# KiCad board Revision01.kicad_pcb
title: Telemetry System; date: 2025-05-19; rev: A; company: BCIT BAJA DATA AQUISITION; note: Parry and Daniel
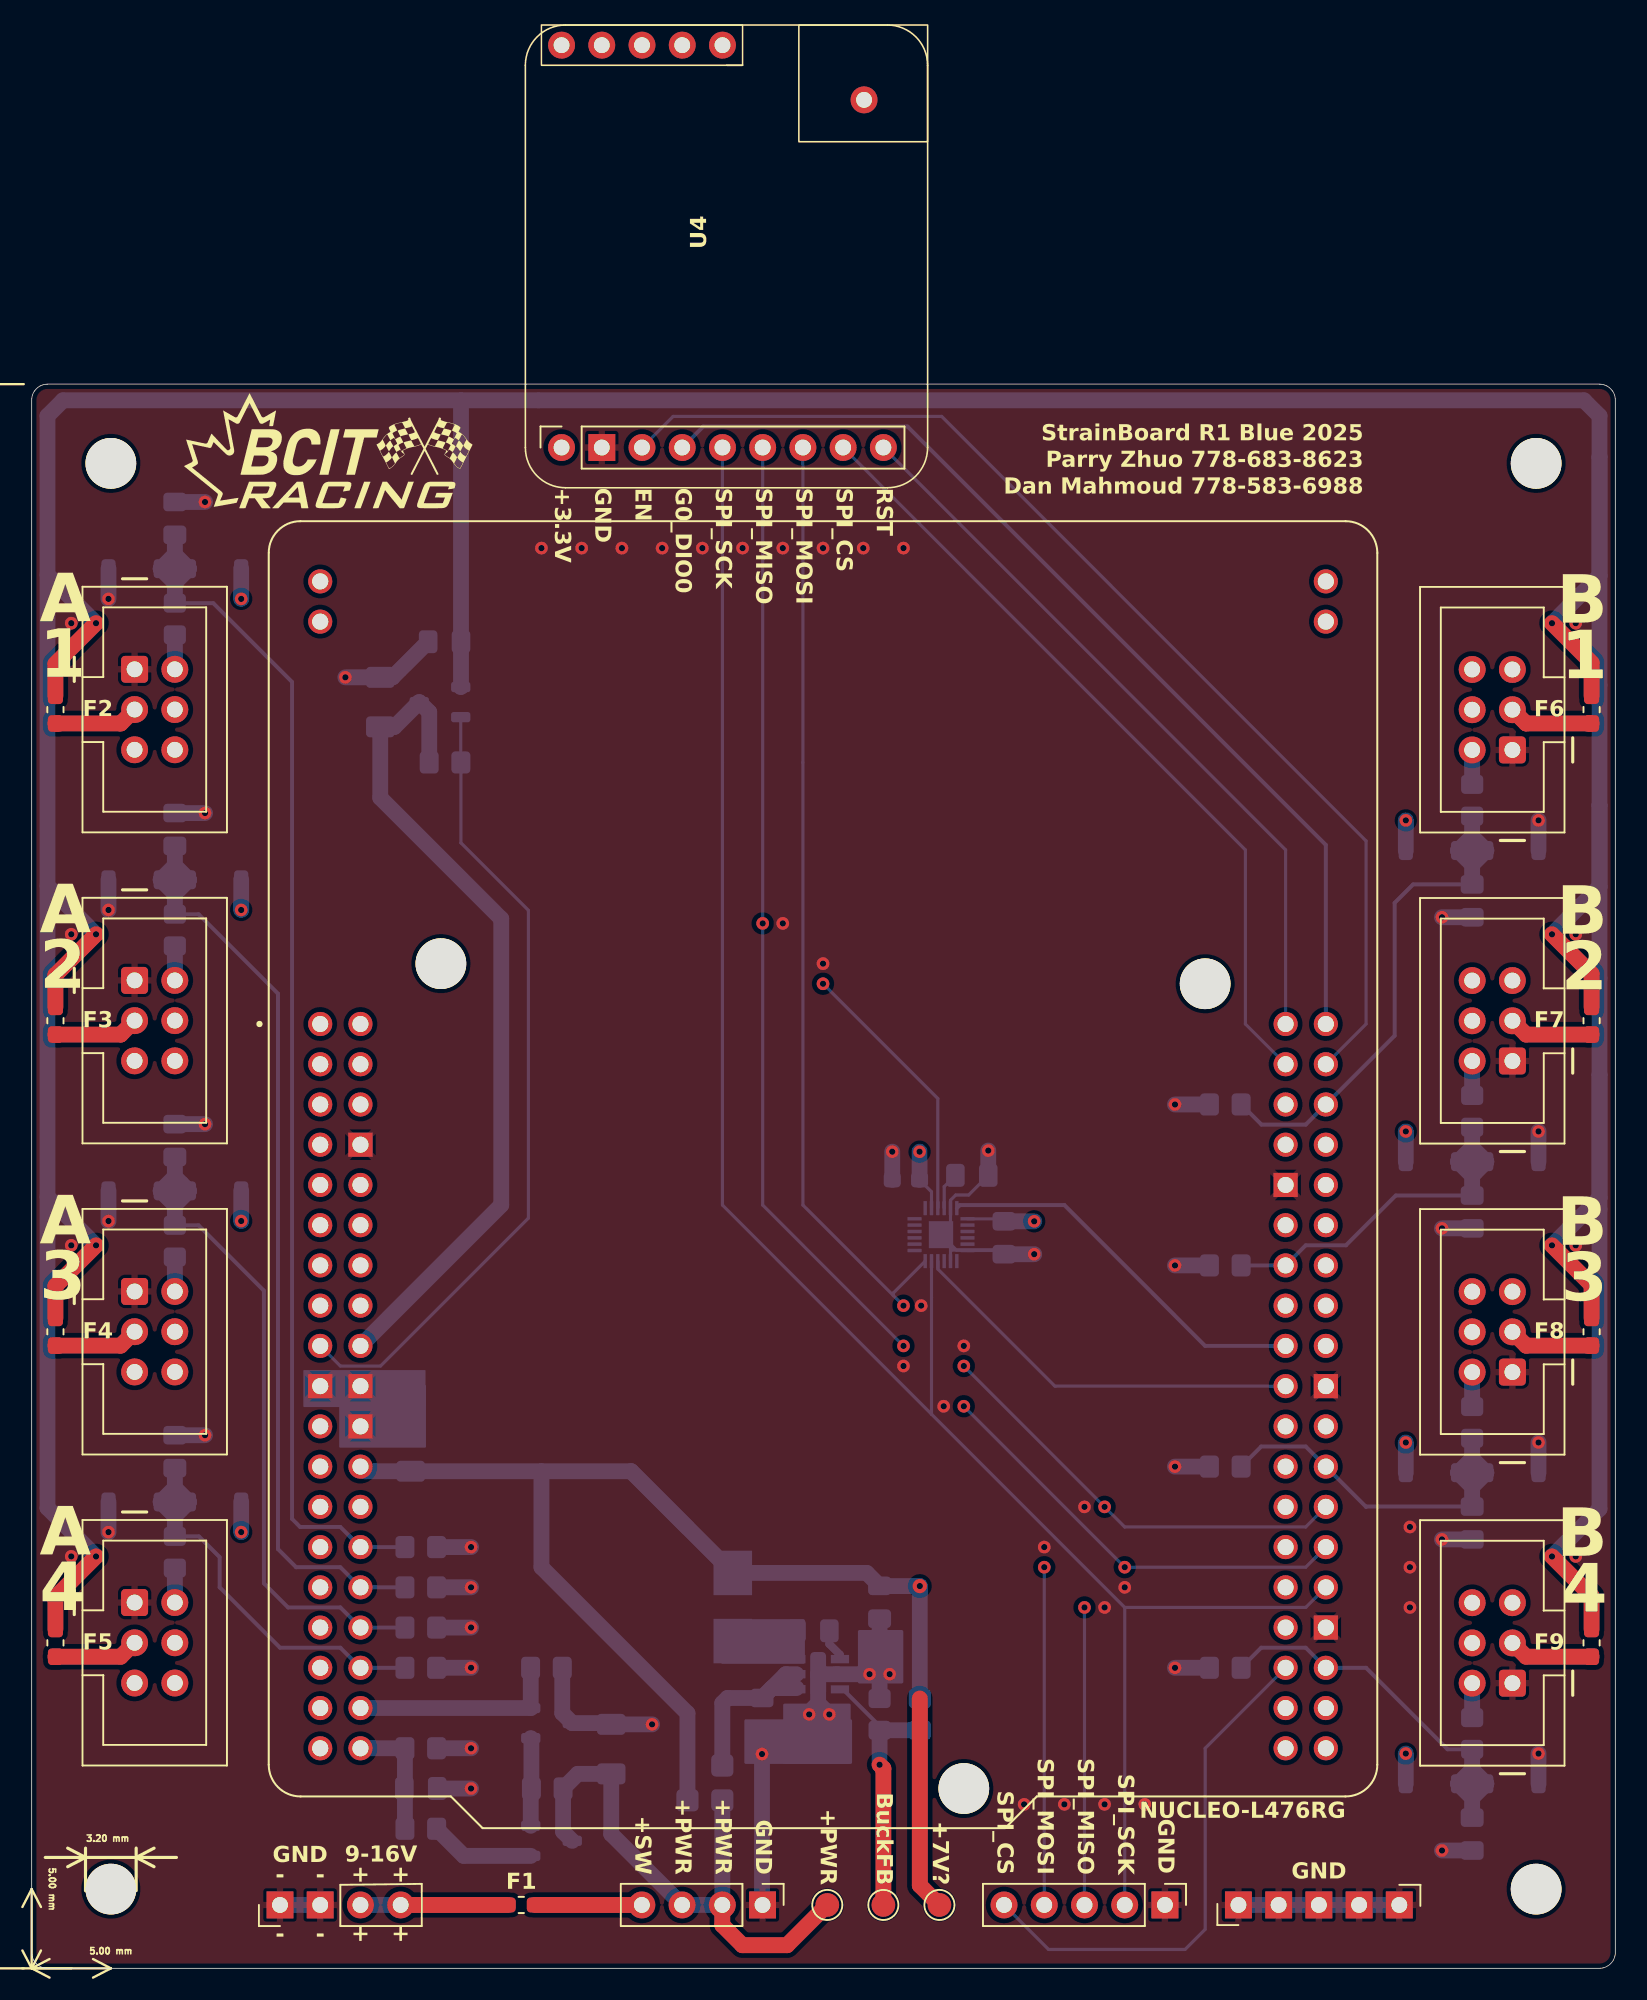
[diagram p0: board, top side]
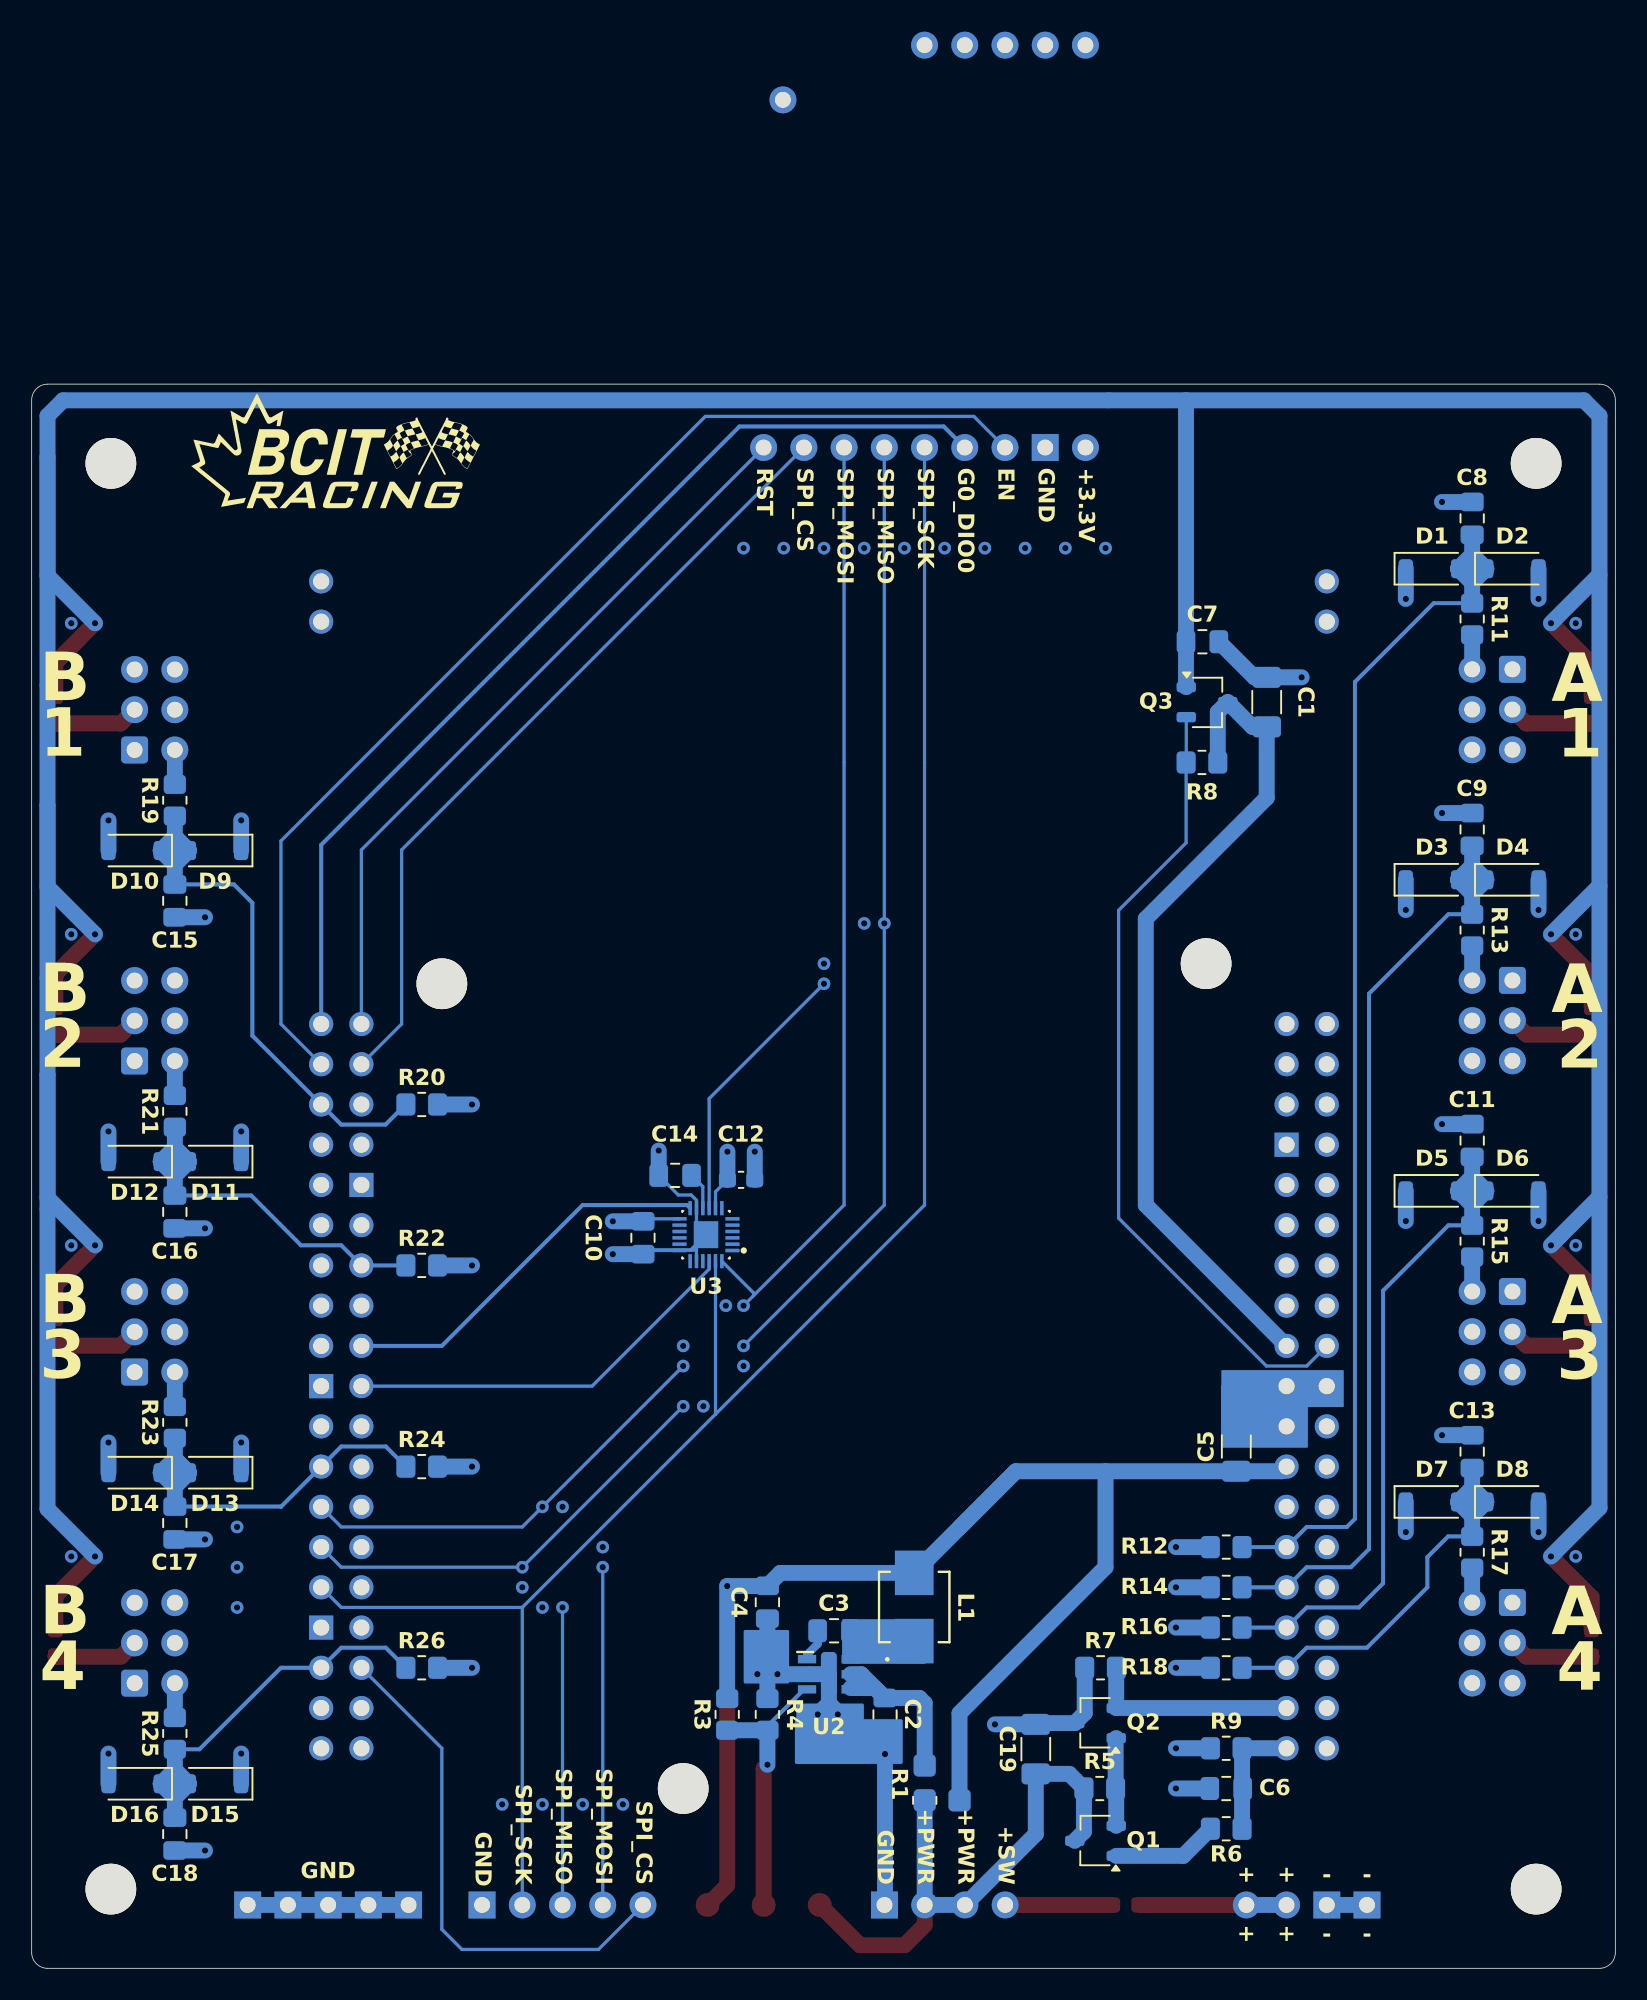
[diagram p1: board, bottom side, seen from below]

Outline 100 x 100 mm; copper layers: Top, In1.Cu (plane), In2.Cu (plane), Bottom. Coordinates in mm from the lower left corner of the outline.
Outline path: 0,99 arc(0.29,99.71) 1,100 99,100 arc(99.71,99.71) 100,99 100,1 arc(99.71,0.29) 99,0 1,0 arc(0.29,0.29) 0,1 0,99
Stack: Top 0.0175mm / dielectric 0.196mm 7628 er 4.74 / In1.Cu 0.035mm / dielectric 1.03mm FR4 er 4.6 / In2.Cu 0.035mm / dielectric 0.196mm 7628 er 4.74 / Bottom 0.0175mm

## Placement (name value [footprint] x y rotation side)
C1  22uF ±10%  [C_1206_3216Metric_Pad1.33x1.80mm_HandSolder]  22.01 79.93 90 bottom
C2  1uF, X7R  [C_0805_2012Metric_Pad1.18x1.45mm_HandSolder]  46.12 16.03 270 bottom
C3  0.1µF, X7R  [C_0805_2012Metric_Pad1.18x1.45mm_HandSolder]  49.33 21.31 180 bottom
C4  1uF, X7R  [C_0805_2012Metric_Pad1.18x1.45mm_HandSolder]  53.54 23.11 270 bottom
C5  10uF, X7R  [C_1206_3216Metric_Pad1.33x1.80mm_HandSolder]  23.94 32.94 90 bottom
C6  0.1uF ±10%  [C_0805_2012Metric_Pad1.18x1.45mm_HandSolder]  24.57 11.35 0 bottom
C7  0.1uF ±10%  [C_0805_2012Metric_Pad1.18x1.45mm_HandSolder]  26.07 83.74 180 bottom
C8  0.1uF ±10%  [C_0805_2012Metric_Pad1.18x1.45mm_HandSolder]  9.04 91.53 90 bottom
C9  0.1uF ±10%  [C_0805_2012Metric_Pad1.18x1.45mm_HandSolder]  9.04 71.89 90 bottom
C10  0.1µF ±10%, Ceramic, X7R, >2V  [C_0805_2012Metric_Pad1.18x1.45mm_HandSolder]  61.4 46.12 270 bottom
C11  0.1uF ±10%  [C_0805_2012Metric_Pad1.18x1.45mm_HandSolder]  9.04 52.25 90 bottom
C12  10nF ±10%, Ceramic, X7R, >4V  [C_0603_1608Metric_Pad1.08x0.95mm_HandSolder]  55.2 49.77 180 bottom
C13  0.1uF ±10%  [C_0805_2012Metric_Pad1.18x1.45mm_HandSolder]  9.04 32.62 90 bottom
C14  0.1µF ±10%, Ceramic, X7R, >2V  [C_0805_2012Metric_Pad1.18x1.45mm_HandSolder]  59.37 50.05 180 bottom
C15  0.1uF ±10%  [C_0805_2012Metric_Pad1.18x1.45mm_HandSolder]  90.96 67.39 270 bottom
C16  0.1uF ±10%  [C_0805_2012Metric_Pad1.18x1.45mm_HandSolder]  90.96 47.75 270 bottom
C17  0.1uF ±10%  [C_0805_2012Metric_Pad1.18x1.45mm_HandSolder]  90.96 28.11 270 bottom
C18  0.1uF ±10%  [C_0805_2012Metric_Pad1.18x1.45mm_HandSolder]  90.96 8.48 270 bottom
C19  22uF ±10%  [C_1206_3216Metric_Pad1.33x1.80mm_HandSolder]  36.59 13.84 90 bottom
D1  D_Zener_Small  [D_SOD-123]  11.58 88.35 180 bottom
D2  D_Zener_Small  [D_SOD-123]  6.5 88.35 180 bottom
D3  D_Zener_Small  [D_SOD-123]  11.58 68.71 180 bottom
D4  D_Zener_Small  [D_SOD-123]  6.5 68.71 180 bottom
D5  D_Zener_Small  [D_SOD-123]  11.58 49.08 180 bottom
D6  D_Zener_Small  [D_SOD-123]  6.5 49.08 180 bottom
D7  D_Zener_Small  [D_SOD-123]  11.58 29.44 180 bottom
D8  D_Zener_Small  [D_SOD-123]  6.5 29.44 180 bottom
D9  D_Zener_Small  [D_SOD-123]  88.42 70.56 0 bottom
D10  D_Zener_Small  [D_SOD-123]  93.5 70.56 0 bottom
D11  D_Zener_Small  [D_SOD-123]  88.42 50.92 0 bottom
D12  D_Zener_Small  [D_SOD-123]  93.5 50.92 0 bottom
D13  D_Zener_Small  [D_SOD-123]  88.42 31.29 0 bottom
D14  D_Zener_Small  [D_SOD-123]  93.5 31.29 0 bottom
D15  D_Zener_Small  [D_SOD-123]  88.42 11.65 0 bottom
D16  D_Zener_Small  [D_SOD-123]  93.5 11.65 0 bottom
F1  FAST-BLOW 375mA 32V 0.45Ω  [Fuse_0603_1608Metric_Pad1.05x0.95mm_HandSolder]  30.92 4 0 top
F2  70mA 5s Fusing, 7.5 Ohms  [Fuse_0603_1608Metric_Pad1.05x0.95mm_HandSolder]  1.5 79.46 270 top
F3  70mA 5s Fusing, 7.5 Ohms  [Fuse_0603_1608Metric_Pad1.05x0.95mm_HandSolder]  1.5 59.82 270 top
F4  70mA 5s Fusing, 7.5 Ohms  [Fuse_0603_1608Metric_Pad1.05x0.95mm_HandSolder]  1.5 40.18 270 top
F5  70mA 5s Fusing, 7.5 Ohms  [Fuse_0603_1608Metric_Pad1.05x0.95mm_HandSolder]  1.5 20.55 270 top
F6  70mA 5s Fusing, 7.5 Ohms  [Fuse_0603_1608Metric_Pad1.05x0.95mm_HandSolder]  98.5 79.46 270 top
F7  70mA 5s Fusing, 7.5 Ohms  [Fuse_0603_1608Metric_Pad1.05x0.95mm_HandSolder]  98.5 59.82 270 top
F8  70mA 5s Fusing, 7.5 Ohms  [Fuse_0603_1608Metric_Pad1.05x0.95mm_HandSolder]  98.5 40.18 270 top
F9  70mA 5s Fusing, 7.5 Ohms  [Fuse_0603_1608Metric_Pad1.05x0.95mm_HandSolder]  98.5 20.55 270 top
G***  LOGO  [BCIT-Racing-Logo_20mm_8mm8]  19.09 95.81 0 top
G***#2  LOGO  [BCIT-Racing-Logo_20mm_8mm8]  80.45 95.81 180 bottom
H1  MountingHole  [MountingHole_3.2mm_M3]  5 5 0 top
H2  MountingHole  [MountingHole_3.2mm_M3]  5 95 0 top
H3  MountingHole  [MountingHole_3.2mm_M3]  95 95 0 top
H4  MountingHole  [MountingHole_3.2mm_M3]  95 5 0 top
J3  Conn_01x04  [BatterySwitch_PinHeader_1x04_P2.54mm_Vertical]  46.15 4 270 top
J4  Conn_01x05  [SPIExtra_PinHeader_1x05_P2.54mm_Vertical]  71.56 4 270 top
J5  Conn_01x05  [GND_PinHeader_1x05_P2.54mm_Vertical]  86.36 4 270 top
J6  IDC 6Pin Male Header  [AdamTech_BHR-06-VUA]  6.5 82 0 top
J7  IDC 6Pin Male Header  [AdamTech_BHR-06-VUA]  6.5 62.36 0 top
J8  IDC 6Pin Male Header  [AdamTech_BHR-06-VUA]  6.5 42.73 0 top
J9  IDC 6Pin Male Header  [AdamTech_BHR-06-VUA]  6.5 23.09 0 top
J10  IDC 6Pin Male Header  [AdamTech_BHR-06-VUA]  93.5 76.91 180 top
J11  IDC 6Pin Male Header  [AdamTech_BHR-06-VUA]  93.5 57.27 180 top
J12  IDC 6Pin Male Header  [AdamTech_BHR-06-VUA]  93.5 37.64 180 top
J13  IDC 6Pin Male Header  [AdamTech_BHR-06-VUA]  93.5 18 180 top
J20  Conn_01x04  [Battery_PinHeader_1x04_P2.54mm_Vertical]  15.68 4 90 top
L1  150uH  [LQH44PH151MPRL_IND_LQH44PN_PR_MUR-M]  44.27 22.81 90 bottom
Q1  PMOS  [TSOT-23]  32.83 8.05 0 bottom
Q2  NMOS  [TSOT-23]  32.83 15.48 0 bottom
Q3  PMOS  [TSOT-23]  25.78 79.93 180 bottom
R1  0  [ZeroOhmSwitch_R_0805_2012Metric_Pad1.20x1.40mm_HandSolder]  43.61 10.6 90 bottom
R3  76.8K+- 1%, ±100ppm/°C  [R_0805_2012Metric_Pad1.20x1.40mm_HandSolder]  56.08 16.03 90 bottom
R4  10K +-1%, ±100ppm/°C  [R_0805_2012Metric_Pad1.20x1.40mm_HandSolder]  53.54 16.03 270 bottom
R5  10K ±1%  [R_0805_2012Metric_Pad1.20x1.40mm_HandSolder]  32.56 11.35 0 bottom
R6  15K ±1%  [R_0805_2012Metric_Pad1.20x1.40mm_HandSolder]  24.57 8.81 0 bottom
R7  10K ±1%  [R_0805_2012Metric_Pad1.20x1.40mm_HandSolder]  32.5 18.97 180 bottom
R8  10K ±1%  [R_0805_2012Metric_Pad1.20x1.40mm_HandSolder]  26.1 76.12 180 bottom
R9  5K ±1%  [R_0805_2012Metric_Pad1.20x1.40mm_HandSolder]  24.57 13.89 180 bottom
R11  150 ±1%  [R_0805_2012Metric_Pad1.20x1.40mm_HandSolder]  9.04 85.18 270 bottom
R12  1M ±1%  [R_0805_2012Metric_Pad1.20x1.40mm_HandSolder]  24.57 26.59 0 bottom
R13  150 ±1%  [R_0805_2012Metric_Pad1.20x1.40mm_HandSolder]  9.04 65.54 270 bottom
R14  1M ±1%  [R_0805_2012Metric_Pad1.20x1.40mm_HandSolder]  24.57 24.05 0 bottom
R15  150 ±1%  [R_0805_2012Metric_Pad1.20x1.40mm_HandSolder]  9.04 45.9 270 bottom
R16  1M ±1%  [R_0805_2012Metric_Pad1.20x1.40mm_HandSolder]  24.57 21.51 0 bottom
R17  150 ±1%  [R_0805_2012Metric_Pad1.20x1.40mm_HandSolder]  9.04 26.27 270 bottom
R18  1M ±1%  [R_0805_2012Metric_Pad1.20x1.40mm_HandSolder]  24.57 18.97 0 bottom
R19  150 ±1%  [R_0805_2012Metric_Pad1.20x1.40mm_HandSolder]  90.96 73.74 90 bottom
R20  1M ±1%  [R_0805_2012Metric_Pad1.20x1.40mm_HandSolder]  75.37 54.53 180 bottom
R21  150 ±1%  [R_0805_2012Metric_Pad1.20x1.40mm_HandSolder]  90.96 54.1 90 bottom
R22  1M ±1%  [R_0805_2012Metric_Pad1.20x1.40mm_HandSolder]  75.37 44.37 180 bottom
R23  150 ±1%  [R_0805_2012Metric_Pad1.20x1.40mm_HandSolder]  90.96 34.46 90 bottom
R24  1M ±1%  [R_0805_2012Metric_Pad1.20x1.40mm_HandSolder]  75.37 31.67 180 bottom
R25  150 ±1%  [R_0805_2012Metric_Pad1.20x1.40mm_HandSolder]  90.96 14.83 90 bottom
R26  1M ±1%  [R_0805_2012Metric_Pad1.20x1.40mm_HandSolder]  75.37 18.97 180 bottom
TP1  TestPoint  [TestPoint_Pad_D1.5mm]  50.24 4 0 top
TP2  TestPoint  [TestPoint_Pad_D1.5mm]  53.78 4 0 top
TP4  TestPoint  [TestPoint_Pad_D1.5mm]  57.32 4 0 top
U1  NUCLEO-L476RG  [MODULE_NUCLEO-L476RG]  18.22 59.61 0 top
U2  LMR51603XFDBVR  [LMR51603XFDBVR_DBV0006A-MFG-IPC_C]  49.66 18.57 180 bottom
U3  MPU-6500  [MPU-6500_QFN40P300X300X95-25N]  57.42 46.31 0 bottom
U4  Adafruit 3070  [Adafruit3070]  33.46 96 90 top

## Library data of the parts
C1 C19 = -: Datasheet: https://mm.digikey.com/Volume0/opasdata/d220001/medias/docus/658/CL31A226KAHNNNE_Spec.pdf; Description: CAP CER 22UF 25V X5R 1206; Manufacturer Part Number: CL31A226KAHNNNE; Distributor Link: https://www.digikey.ca/en/products/detail/samsung-electro-mechanics/CL31A226KAHNNNE/3888705; Distributor Part Number: 1276-3047-1-ND - Cut Tape (CT); Detailed Description: 22 µF ±10% 25V Ceramic Capacitor X5R 1206 (3216 Metric); Manufacturer: Samsung Electro-Mechanics; Package: 1206 (3216 Metric); ki_fp_filters: C_*
C2 C4 = -: Datasheet: https://mm.digikey.com/Volume0/opasdata/d220001/medias/docus/609/CL21B105KBFNNNE_Spec.pdf; Description: CAP CER 1UF 50V X7R 0805; Manufacturer: Samsung Electro-Mechanics; Manufacturer Part Number: CL21B105KBFNNNE; Distributor Part Number: 1276-1029-1-ND - Cut Tape (CT); Detailed Description: 1 µF ±10% 50V Ceramic Capacitor X7R 0805 (2012 Metric); Distributor Link: https://www.digikey.ca/en/products/detail/samsung-electro-mechanics/CL21B105KBFNNNE/3886687; Package: 0805 (2012 Metric); ki_fp_filters: C_*
C3 C6-C9 C11 C13 C15-C18 = -: Datasheet: https://mm.digikey.com/Volume0/opasdata/d220001/medias/docus/893/CL21B104KCFNNNE_Spec.pdf; Description: CAP CER 0.1UF 100V X7R 0805; Manufacturer Part Number: CL21B104KCFNNNE; Distributor Link: https://www.digikey.ca/en/products/detail/samsung-electro-mechanics/CL21B104KCFNNNE/5961324; Manufacturer: Samsung Electro-Mechanics; Distributor Part Number: 1276-6840-1-ND - Cut Tape (CT); Detailed Description: 0.1 µF ±10% 100V Ceramic Capacitor X7R 0805 (2012 Metric); Package: 0805 (2012 Metric); ki_fp_filters: C_*
C5 = -: Datasheet: https://mm.digikey.com/Volume0/opasdata/d220001/medias/docus/658/CL31B106KAHNNNE_Spec.pdf; Description: CAP CER 10UF 25V X7R 1206; Manufacturer: Samsung Electro-Mechanics; Manufacturer Part Number: CL31B106KAHNNNE; Distributor Link: https://www.digikey.ca/en/products/detail/samsung-electro-mechanics/CL31B106KAHNNNE/3887462; Distributor Part Number: 1276-1804-1-ND - Cut Tape (CT); Detailed Description: 10 µF ±10% 25V Ceramic Capacitor X7R 1206 (3216 Metric); Package: 1206 (3216 Metric); ki_fp_filters: C_*
C10 C14 = -: Datasheet: https://mm.digikey.com/Volume0/opasdata/d220001/medias/docus/893/CL21B104KCFNNNE_Spec.pdf; Description: CAP CER 0.1UF 100V X7R 0805; Detailed Description: 0.1 µF ±10% 100V Ceramic Capacitor X7R 0805 (2012 Metric); Distributor Link: https://www.digikey.ca/en/products/detail/samsung-electro-mechanics/CL21B104KCFNNNE/5961324; Distributor Part Number: 1276-6840-1-ND - Cut Tape (CT); Manufacturer: Samsung Electro-Mechanics; Manufacturer Part Number: CL21B104KCFNNNE; Package: 0805 (2012 Metric); ki_fp_filters: C_*
C12 = -: Datasheet: https://weblib.samsungsem.com/mlcc/mlcc-ec-data-sheet.do?partNumber=CL10B103KB8WPN; Description: CAP CER 10000PF 50V X7R 0603; Detailed Description: 10000 pF ±10% 50V Ceramic Capacitor X7R 0603 (1608 Metric); Distributor Link: https://www.digikey.ca/en/products/detail/samsung-electro-mechanics/CL10B103KB8WPND/11487754; Distributor Part Number: 1276-CL10B103KB8WPNDCT-ND - Cut Tape (CT); Manufacturer: Samsung Electro-Mechanics; Manufacturer Part Number: CL10B103KB8WPND; Package: 0603 (1608 Metric); ki_fp_filters: C_*
D1 = -: Datasheet: https://www.diodes.com/datasheet/download/DDZ96xx-DDZ97xx.pdf; Description: DIODE ZENER 3.3V 500MW SOD123; Manufacturer: Diodes Incorporated; Detailed Description: Zener Diode 3.3 V 500 mW ±5% Surface Mount SOD-123; Manufacturer Part Number: DDZ9684-7; Distributor Link: https://www.digikey.ca/en/products/detail/diodes-incorporated/DDZ9684-7/1934818; Distributor Part Number: DDZ9684-7DITR-ND; Package: SOD-123; ki_fp_filters: TO-???* *_Diode_* *SingleDiode* D_*
D2-D16 = -: Datasheet: https://www.diodes.com/datasheet/download/DDZ96xx-DDZ97xx.pdf; Description: DIODE ZENER 3.3V 500MW SOD123; Manufacturer: Diodes Incorporated; Manufacturer Part Number: DDZ9684-7; Distributor Link: https://www.digikey.ca/en/products/detail/diodes-incorporated/DDZ9684-7/1934818; Distributor Part Number: DDZ9684-7DITR-ND; Detailed Description: Zener Diode 3.3 V 500 mW ±5% Surface Mount SOD-123; Package: SOD-123; ki_fp_filters: TO-???* *_Diode_* *SingleDiode* D_*
F1 = -: Datasheet: https://datasheets.kyocera-avx.com/AccuGuard2.pdf; Description: FUSE BOARD MNT 375MA 32VDC 0603; Detailed Description: 375 mA 32 V Fuse Board Mount (Cartridge Style Excluded) Surface Mount 0603 (1608 Metric); Distributor Link: https://www.digikey.ca/en/products/detail/kyocera-avx/F0603E0R37FSTR/768542; Distributor Part Number: 478-2859-1-ND - Cut Tape (CT); Manufacturer: KYOCERA AVX; Manufacturer Part Number: F0603E0R37FSTR; Package: 0603 (1608 Metric); ki_fp_filters: *Fuse*
F2 = -: Datasheet: https://datasheets.kyocera-avx.com/AccuGuardLC_0402.pdf; Description: FUSE BOARD MOUNT 28MA 63VDC 0603; Detailed Description: 28 mA 63 V Fuse Board Mount (Cartridge Style Excluded) Surface Mount 0603 (1608 Metric); Distributor Link: https://www.digikey.ca/en/products/detail/kyocera-avx/F0603G0R02FNTR/9948432; Distributor Part Number: 478-13097-1-ND - Cut Tape (CT); Manufacturer: KYOCERA AVX; Manufacturer Part Number: F0603G0R02FNTR; Qty Multiplier: 6; Package: 0603 (1608 Metric); ki_fp_filters: *Fuse*
F3-F9 = -: Datasheet: https://datasheets.kyocera-avx.com/AccuGuardLC_0402.pdf; Description: FUSE BOARD MOUNT 28MA 63VDC 0603; Detailed Description: 28 mA 63 V Fuse Board Mount (Cartridge Style Excluded) Surface Mount 0603 (1608 Metric); Distributor Link: https://www.digikey.ca/en/products/detail/kyocera-avx/F0603G0R02FNTR/9948432; Distributor Part Number: 478-13097-1-ND - Cut Tape (CT); Manufacturer: KYOCERA AVX; Manufacturer Part Number: F0603G0R02FNTR; Package: 0603 (1608 Metric); ki_fp_filters: *Fuse*
H1-H4 = -: Description: Mounting Hole without connection; ki_fp_filters: MountingHole*
J3 = -: Description: External case switch header; ki_fp_filters: Connector*:*_1x??_*
J4 J5 = -: Description: Generic connector, single row, 01x05, script generated (kicad-library-utils/schlib/autogen/connector/); ki_fp_filters: Connector*:*_1x??_*
J6-J13 = -: Datasheet: https://app.adam-tech.com/products/download/data_sheet/203218/bhr-xx-vua-data-sheet.pdf; Description: CONN HEADER VERT 6POS 2.54MM; Distributor Part Number: 2057-BHR-06-VUA-ND; Detailed Description: Connector Header Through Hole 6 position 0.100" (2.54mm); Distributor Link: https://www.digikey.ca/en/products/detail/adam-tech/BHR-06-VUA/10414837; Manufacturer: Adam Tech; Manufacturer Part Number: BHR-06-VUA; Package: n/a; ki_fp_filters: Connector*:*_2x??_*